# KiCad board yddraig68k.kicad_pcb (continued)
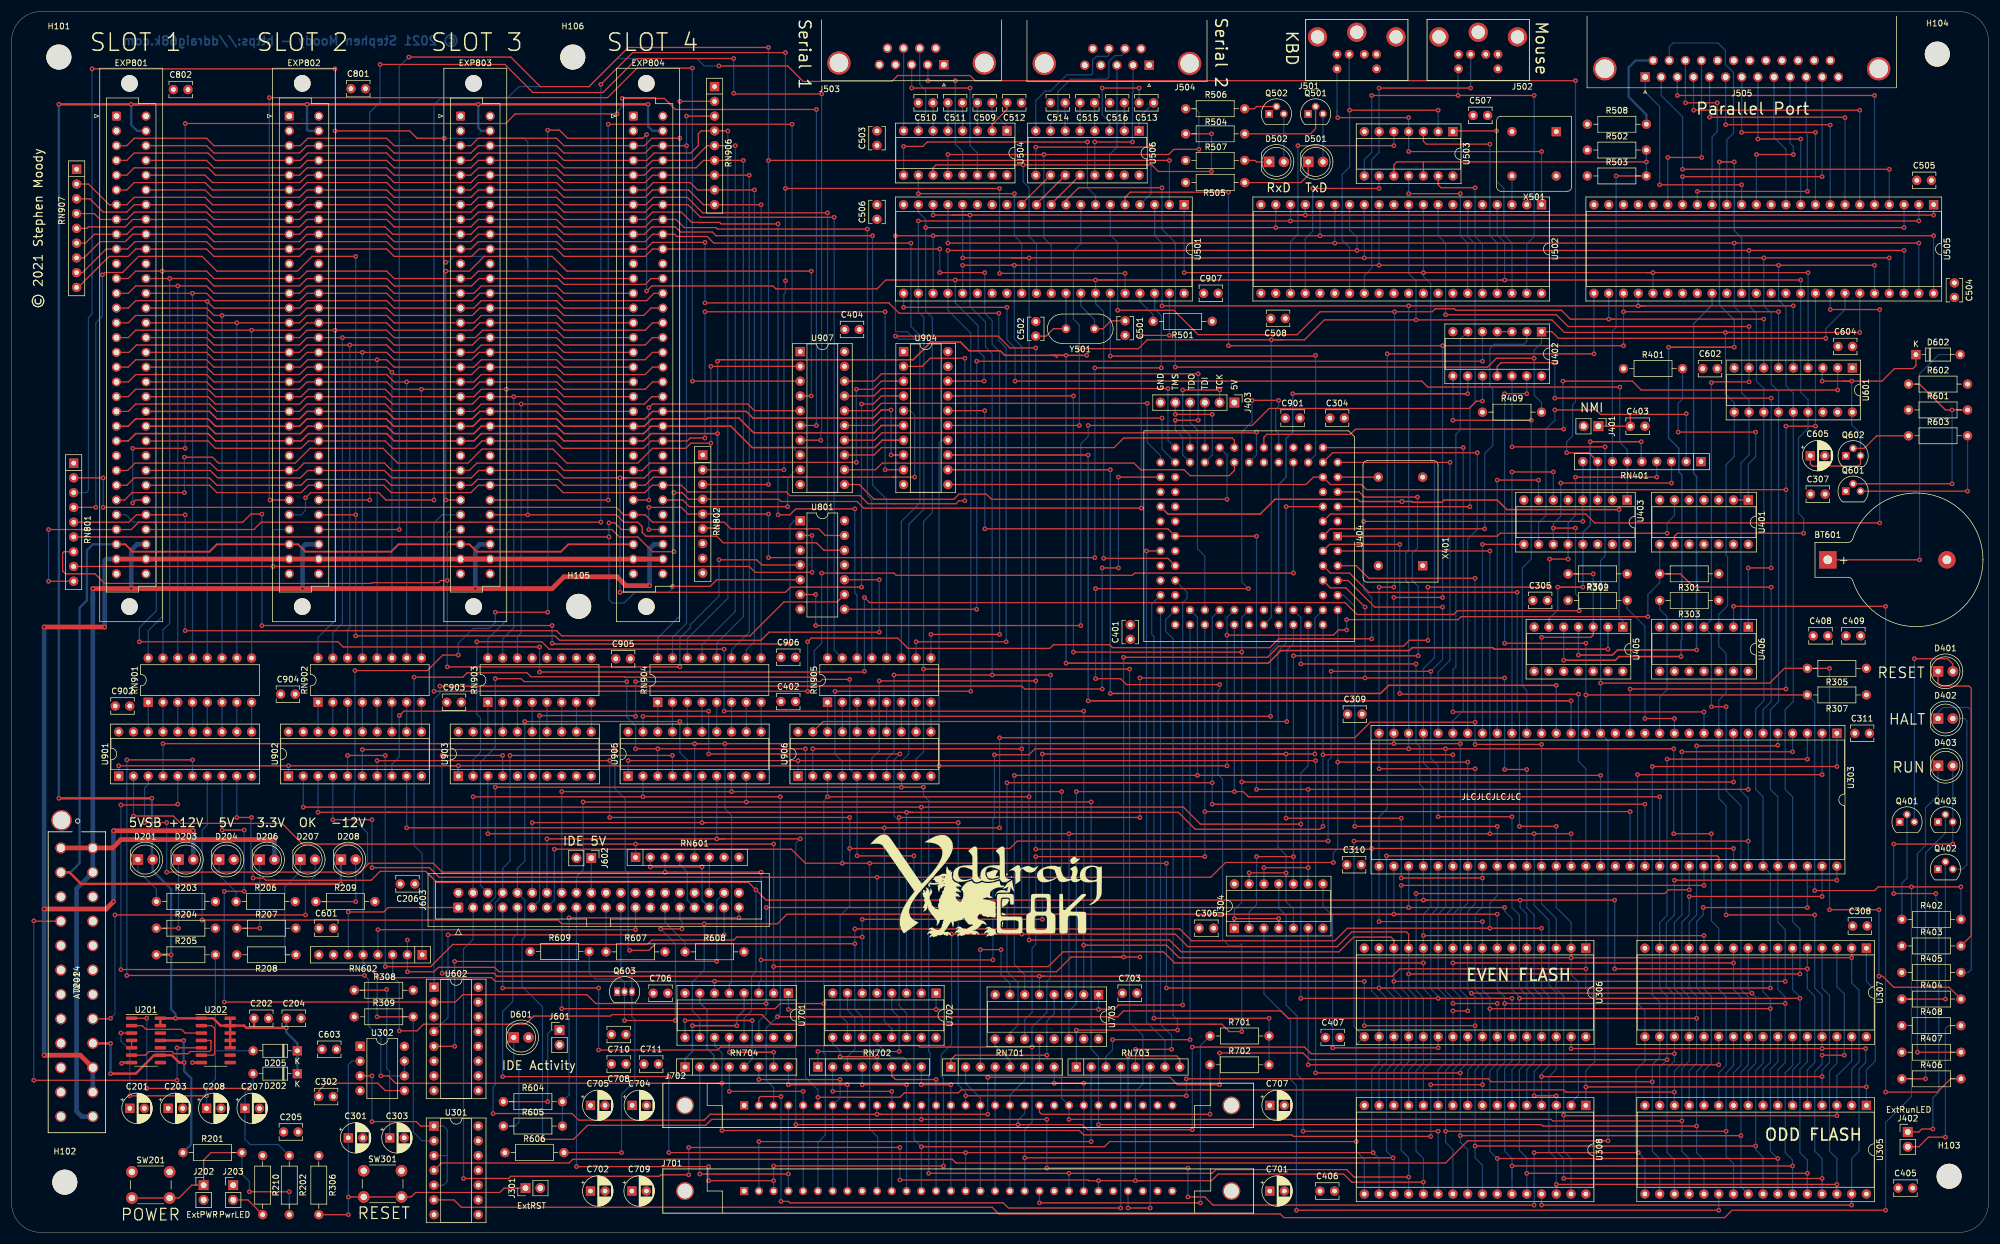
[diagram p0: board, top side]
## Routing (per net, layer and track width the routed paths; a pad name or vN(x,y) marks a point on that pad's centre or on a via; arc(x,y) is an arc through that point) (continued)
/Decode and Logic/~{DATCK_EXT}: length 157.5
  Top w0.203: v1(165.99,107.19) U801.8 ; v1(252.98,149.86) v1(165.99,149.86)
  Bottom w0.203: v1(165.99,149.86) v1(165.99,107.19) ; U402.5 v1(252.98,149.86)
/Decode and Logic/~{DTACK_CPLD}: length 68.6
  Top w0.203: U404.2 226.82,121.03 v1(253.37,121.03)
  Bottom w0.203: v1(253.37,121.03) 253.37,133.99 254.76,135.38 254.76,145.03 254.25,145.54 254.25,152.02 255.02,152.78 260.1,152.78 260.6,153.29 U402.2
/Decode and Logic/~{EXT_BERR}: length 162.4
  Top w0.203: v1(252.98,143) 251.97,143 250.7,141.73 216.28,141.73 213.36,138.81 v1(185.17,138.81) ; v1(138.3,104.39) v1(183.9,104.39) ; U801.6 v1(138.3,109.73)
  Bottom w0.203: v1(252.98,143) U402.10 ; v1(185.17,138.81) 185.17,136.91 183.9,135.64 v1(183.9,104.39) ; v1(138.3,109.73) v1(138.3,104.39)
/Decode and Logic/~{EXT_LDS}: length 126.9
  Top w0.203: v1(216.54,88.77) v1(108.59,88.77)
  Bottom w0.203: U404.68 217.93,101.41 216.54,100.01 v1(216.54,88.77) ; v1(108.59,88.77) U905.19
/Decode and Logic/~{EXT_UDS}: length 99.4
  Top w0.203: v1(219.33,87.88) 139.57,87.88 137.8,86.11
  Bottom w0.203: v1(219.33,87.88) 219.33,100.14 220.47,101.28 U404.70
/Decode and Logic/~{EXT_VPA}: length 360.3
  Top w0.25: 267.59,100.33 267.72,100.33 ; 267.59,100.33 v1(274.57,100.33) ; 267.59,100.33 255.02,100.33 254.76,100.58 240.9,100.58 240.4,100.08 218.31,100.08 216.15,97.92 v1(181.36,97.92) ; 178.82,150.88 v1(181.36,150.88) ; 178.82,150.88 170.81,150.88 170.05,151.64 164.72,151.64 163.19,153.16 158.12,153.16 155.07,150.11 121.67,150.11 v1(121.41,149.86) ; 178.82,150.88 179.2,150.88 ; v1(181.36,150.88) v1(184.91,150.88) ; v1(181.36,150.88) 179.2,150.88 ; 179.2,150.88 179.45,150.88 179.83,150.5 ; 118.87,121.16 v1(121.41,121.16) ; EXP801.A23 20.07,136.14 21.34,137.41 33.78,137.41 35.05,136.14 EXP802.A23 49.78,136.14 51.05,137.41 64.52,137.41 65.79,136.14 EXP803.A23 79.5,136.14 80.77,137.41 93.73,137.41 95,136.14 EXP804.A23 108.71,136.14 109.98,137.41 v1(121.41,137.41)
  Bottom w0.25: v1(181.36,150.88) v1(181.36,97.92) ; v1(121.41,121.16) 121.41,135.89 ; 121.41,135.89 v1(121.41,137.41) ; 121.41,135.89 v1(121.41,149.86) ; v1(274.57,100.33) U405.2
/Decode and Logic/~{EXTINT1}: length 348.2
  Top w0.203: v1(146.69,109.22) 147.57,108.33 229.36,108.33 231.39,106.3 248.03,106.3 248.67,106.93 v1(269.62,106.93) ; v1(90.81,100.71) 57.02,100.71 56.13,101.6 v1(21.97,101.6) ; v1(146.69,96.52) 146.56,96.39 v1(90.81,96.39) ; v1(268.99,121.16) v1(265.18,121.16) ; v1(266.45,128.91) v1(285.5,128.91)
  Bottom w0.203: 265.18,120.52 U403.11 ; 265.18,120.52 v1(265.18,121.16) ; 265.18,120.52 265.18,121.92 266.45,123.19 v1(266.45,128.91) ; v1(285.5,128.91) RN401.3 ; v1(146.69,96.52) v1(146.69,109.22) ; v1(90.81,100.71) v1(90.81,96.39) ; EXP801.A28 19.68,123.44 20.95,122.17 24.38,122.17 24.89,121.67 24.89,106.93 21.97,104.01 v1(21.97,101.6) ; v1(268.99,121.16) 268.99,109.85 269.62,109.22 v1(269.62,106.93)
/Decode and Logic/~{EXTINT2}: length 375.5
  Top w0.203: v1(268.99,198.12) 165.74,198.12 164.85,199.01 152.4,199.01 151.38,197.99 136.14,197.99 133.48,200.66 v1(121.67,200.66) ; RN401.8 271.27,134.11 v1(267.46,134.11) ; v1(72.64,125.98) 64.39,125.98 63.12,127.25 51.43,127.25 v1(50.55,126.36)
  Bottom w0.203: v1(121.67,200.66) 119.13,200.66 117.86,201.93 104.14,201.93 99.31,197.1 87.25,197.1 85.34,195.2 73.91,195.2 72.64,193.93 v1(72.64,125.98) ; U403.3 RN401.8 ; v1(267.46,134.11) 267.46,136.02 268.48,137.03 268.48,142.37 268.99,142.88 v1(268.99,198.12) ; v1(50.55,126.36) 50.55,124.21 49.78,123.44 EXP802.A28
/Decode and Logic/~{EXTINT3}: length 275
  Top w0.203: v1(136.91,101.6) 137.53,102.23 152.41,102.23 154.18,100.46 178.56,100.46 179.2,101.09 188.85,101.09 189.36,100.58 216.41,100.58 217.93,102.11 v1(233.93,102.11) ; v1(72.64,93.09) v1(136.91,93.09) ; 254.13,122.3 254.38,122.3 ; 254.13,122.3 v1(270.26,122.3) ; 254.13,122.3 v1(232.54,122.3)
  Bottom w0.203: RN401.9 U403.4 v1(270.26,122.3) ; EXP803.A28 74.04,123.44 72.64,122.05 v1(72.64,93.09) ; v1(136.91,93.09) v1(136.91,101.6) ; v1(233.93,102.11) 233.93,109.22 232.54,110.62 v1(232.54,122.3)
/Decode and Logic/~{IDE_RD}: length 335
  Top w0.203: v1(211.58,34.54) 209.42,34.54 208.15,35.81 130.68,35.81 129.03,37.47 103.25,37.47 103,37.21 89.79,37.21 88.39,35.81 70.87,35.81 69.72,34.67 v1(66.67,34.67) ; v1(213.36,143.13) 213.36,143.13 v1(217.93,143.13) ; 190.12,110.74 v1(212.73,110.74) ; 190.12,110.74 v1(186.44,110.74) ; 190.12,110.74 190.75,110.74 ; v1(207.77,94.23) 191.77,94.23 190.75,95.25 v1(186.44,95.25)
  Bottom w0.203: v1(212.73,110.74) 211.58,111.89 211.58,137.67 213.36,139.45 v1(213.36,143.13) ; RN602.3 65.53,44.07 66.67,42.93 v1(66.67,34.67) ; U404.18 217.93,137.41 217.42,137.92 217.42,141.61 217.93,142.11 v1(217.93,143.13) ; v1(207.77,94.23) 207.77,93.47 207.52,93.22 207.52,78.74 208.28,77.98 208.28,50.42 209.42,49.28 211.2,49.28 211.58,49.66 v1(211.58,34.54) ; v1(186.44,95.25) v1(186.44,110.74)
/Decode and Logic/~{IDE_WR}: length 236.7
  Top w0.203: v1(138.05,95.5) 105.49,95.5 105.42,95.58 89.33,95.58 88.65,96.27 78.36,96.27 77.6,95.5 v1(69.22,95.5) ; v1(220.47,113.41) 193.17,113.41 192.79,113.03 152.15,113.03 151.77,113.41 v1(139.32,113.41)
  Bottom w0.203: U404.17 v1(220.47,113.41) ; v1(69.22,95.5) 69.22,66.55 70.61,65.15 RN602.1 ; v1(139.32,113.41) 139.32,101.35 138.05,100.08 v1(138.05,95.5)
/Decode and Logic/~{INT_DUART}: length 157.9
  Top w0.203: v1(153.42,159.13) v1(171.2,159.13) ; v1(276.61,145.42) 243.59,145.42 242.57,146.43 v1(172.59,146.43)
  Bottom w0.203: U501.21 v1(153.42,159.13) ; v1(171.2,159.13) 171.2,153.54 172.59,152.15 v1(172.59,146.43) ; v1(276.61,145.42) 276.61,135.89 277.88,134.62 RN401.6 U403.1
/Decode and Logic/~{INT_IDE}: length 308
  Top w0.203: 263.27,111 v1(264.54,111) ; 263.27,111 263.52,111 ; 263.27,111 v1(243.59,111) ; v1(106.68,44.83) 173.23,44.83 ; 173.23,44.83 173.99,44.83 ; 173.23,44.83 179.71,44.83 182.25,47.37 189.36,47.37 ; 189.36,47.37 v1(194.06,47.37) ; 189.36,47.37 v1(191.26,47.37) ; v1(104.9,13.72) R606.2 ; v1(191.26,98.93) 216.03,98.93 217.93,100.84 239.39,100.84 240.41,101.85 v1(243.59,101.85) ; v1(268.99,129.92) v1(282.96,129.92) ; v1(264.54,115.82) v1(267.72,115.82)
  Bottom w0.203: v1(282.96,129.92) RN401.4 ; v1(243.59,101.85) v1(243.59,111) ; v1(267.72,115.82) U403.12 267.72,122.05 268.99,123.32 v1(268.99,129.92) ; v1(106.68,44.83) 106.68,37.08 107.19,36.58 107.19,26.03 104.9,23.75 v1(104.9,13.72) ; v1(191.26,47.37) v1(191.26,98.93) ; v1(264.54,111) v1(264.54,115.82)
/Decode and Logic/~{INT_PIT0}: length 88.4
  Top w0.25: v1(269.49,99.31) 275.34,99.31 276.23,100.2 v1(289.81,100.2)
  Bottom w0.25: v1(289.81,100.2) 289.81,130.05 289.31,130.56 289.31,156.34 292.48,159.51 U505.33 ; U405.4 v1(269.49,99.31)
/Decode and Logic/~{INT_PIT1}: length 150.3
  Top w0.25: v1(287.15,99.06) 276.48,99.06 275.84,98.43 v1(266.95,98.43) ; v1(284.99,152.27) v1(296.29,152.27) ; v1(296.29,184.15) v1(293.75,184.15)
  Bottom w0.25: v1(266.95,98.43) U405.5 ; v1(287.15,99.06) 287.15,101.85 287.27,101.98 287.27,130.3 286.77,130.81 286.77,134.87 284.99,136.65 v1(284.99,152.27) ; v1(296.29,152.27) 296.29,156.97 293.75,159.51 v1(293.75,184.15) ; 297.56,161.54 297.56,171.07 296.29,172.34 v1(296.29,184.15)
/Decode and Logic/~{INT_PS2}: length 113.6
  Top w0.203: 242.82,184.15 v1(281.18,184.15) ; 242.82,184.15 U503.12 ; 242.82,184.15 238.25,184.15 237.74,183.64 U503.10 ; v1(275.97,181.74) R503.2
  Bottom w0.203: R503.2 v1(281.18,184.15) R502.2 ; v1(275.97,181.74) 275.97,155.7 275.34,155.07 RN401.7 U403.2
/Decode and Logic/~{RUN}: length 127.2
  Top w0.203: v1(296.16,107.7) v1(322.33,107.7) ; v1(322.33,24.13) 331.22,24.13 333.5,26.42 R406.2
  Bottom w0.203: v1(296.16,107.7) U406.2 ; v1(322.33,24.13) v1(322.33,107.7)
/DRAM Interface/DRAM_MUX: length 151.6
  Top w0.203: v1(201.42,39.12) 190.37,39.12 189.61,38.35 188.09,38.35 ; v1(133.6,38.35) v1(159,38.35) 188.09,38.35 ; 188.09,38.35 v1(186.94,38.35)
  Bottom w0.203: U404.50 202.18,110.11 202.18,109.09 201.42,108.33 v1(201.42,39.12) ; U703.1 v1(186.94,38.35) ; U702.1 v1(159,38.35) ; U701.1 v1(133.6,38.35)
/DRAM Interface/~{CAS0}: length 99.2
  Top w0.203: v1(200.53,34.8) v1(183.13,34.8)
  Bottom w0.203: U404.55 198.5,105.41 198.5,103.38 199.77,102.11 199.77,81.79 ; 199.77,81.79 199.77,83.31 199.9,83.44 ; 199.77,81.79 199.77,37.34 200.53,36.58 v1(200.53,34.8) ; RN703.1 v1(183.13,34.8)
/DRAM Interface/~{CAS1}: length 89.9
  Top w0.203: v1(202.69,33.15) v1(189.36,33.15)
  Bottom w0.203: RN703.3 188.21,30.23 189.36,31.37 v1(189.36,33.15) ; U404.56 v1(202.69,33.15)
/DRAM Interface/~{DRAM_WE}: length 101.4
  Top w0.203: v1(196.47,36.83) v1(216.28,36.83)
  Bottom w0.203: U404.51 196.09,108.08 196.09,102.87 196.47,102.49 v1(196.47,36.83) ; R702.2 R701.2 v1(216.28,36.83)
/DRAM Interface/~{RAS0}: length 85.6
  Top w0.203: v1(199.52,31.5) v1(193.29,31.5)
  Bottom w0.203: v1(193.29,31.5) RN703.5 ; U404.53 197.61,35.81 199.52,33.91 v1(199.52,31.5)
/DRAM Interface/~{RAS1}: length 92.5
  Top w0.203: U404.45 v1(195.2,117.22)
  Bottom w0.203: RN703.7 198.37,33.02 195.2,36.19 v1(195.2,117.22)
/Expansion Bus/BA1: length 159.6
  Top w0.203: EXP801.A12 20.07,164.08 21.34,165.35 v1(25.91,165.35) 33.53,165.35 34.8,164.08 EXP802.A12 49.53,164.08 50.8,165.35 64.52,165.35 65.79,164.08 EXP803.A12 78.99,164.08 80.26,165.35 93.73,165.35 95,164.08 EXP804.A12
  Bottom w0.203: RN901.16 23.49,103.5 25.91,105.92 v1(25.91,165.35)
/Expansion Bus/BA2: length 157.6
  Top w0.203: EXP801.C12 v1(27.18,164.08) 33.53,164.08 34.8,162.81 49.53,162.81 50.8,164.08 EXP802.C12 64.52,164.08 65.79,162.81 79.12,162.81 80.39,164.08 EXP803.C12 93.98,164.08 94.98,163.08 108.98,163.08 109.98,164.08 EXP804.C12
  Bottom w0.203: RN901.15 26.03,103.63 27.18,104.78 v1(27.18,164.08)
/Expansion Bus/BA3: length 156.1
  Top w0.203: EXP801.A13 20.07,161.54 21.34,162.81 v1(28.57,162.81) 33.53,162.81 34.8,161.54 EXP802.A13 49.53,161.54 50.8,162.81 64.52,162.81 65.79,161.54 EXP803.A13 79.5,161.54 80.77,162.81 93.73,162.81 95,161.54 EXP804.A13
  Bottom w0.203: RN901.14 v1(28.57,162.81)
/Expansion Bus/BA4: length 154.8
  Top w0.203: EXP804.C13 110.49,161.54 109.22,160.27 95,160.27 93.73,161.54 EXP803.C13 80.52,161.54 79.25,160.27 65.79,160.27 64.52,161.54 EXP802.C13 50.8,161.54 49.53,160.27 34.8,160.27 33.53,161.54 v1(31.12,161.54) EXP801.C13
  Bottom w0.203: RN901.13 v1(31.12,161.54)
/Expansion Bus/BA5: length 153.4
  Top w0.203: EXP801.A14 20.07,159 21.34,160.27 33.53,160.27 v1(33.65,160.15) 34.8,159 EXP802.A14 49.53,159 50.8,160.27 64.52,160.27 65.79,159 EXP803.A14 79.5,159 80.77,160.27 93.73,160.27 95,159 EXP804.A14
  Bottom w0.203: RN901.12 v1(33.65,160.15)
/Expansion Bus/BA6: length 151
  Top w0.203: EXP804.C14 109.98,159 108.71,157.73 95,157.73 93.73,159 EXP803.C14 80.52,159 79.25,157.73 65.79,157.73 64.52,159 EXP802.C14 50.8,159 49.53,157.73 v1(36.2,157.73) 34.8,157.73 33.53,159 EXP801.C14
  Bottom w0.203: RN901.11 v1(36.2,157.73)
/Expansion Bus/BA7: length 149.7
  Top w0.203: EXP801.A15 20.07,156.46 21.34,157.73 33.53,157.73 34.8,156.46 v1(38.73,156.46) EXP802.A15 49.53,156.46 50.8,157.73 64.52,157.73 65.79,156.46 EXP803.A15 79.5,156.46 80.77,157.73 93.73,157.73 95,156.46 EXP804.A15
  Bottom w0.203: RN901.10 v1(38.73,156.46)
/Expansion Bus/BA8: length 148.4
  Top w0.203: EXP804.C15 110.24,156.46 108.97,155.19 95,155.19 93.73,156.46 EXP803.C15 80.52,156.46 79.25,155.19 65.79,155.19 64.52,156.46 EXP802.C15 50.8,156.46 49.53,155.19 v1(41.27,155.19) 34.8,155.19 33.53,156.46 EXP801.C15
  Bottom w0.203: RN901.9 v1(41.27,155.19)
/Expansion Bus/BA9: length 149.7
  Top w0.203: EXP804.A16 95,153.92 93.73,155.19 81.03,155.19 79.76,153.92 EXP803.A16 65.79,153.92 64.52,155.19 v1(55.63,155.19) 50.8,155.19 49.53,153.92 EXP802.A16 34.8,153.92 33.53,155.19 21.34,155.19 20.07,153.92 EXP801.A16
  Bottom w0.203: RN902.16 52.7,102.36 55.63,105.28 v1(55.63,155.19)
/Expansion Bus/BA10: length 147.9
  Top w0.203: EXP801.C16 33.53,153.92 34.8,152.65 49.53,152.65 50.8,153.92 EXP802.C16 v1(56.9,153.92) 64.52,153.92 65.79,152.65 79.25,152.65 80.52,153.92 EXP803.C16 93.73,153.92 95,152.65 108.97,152.65 110.24,153.92 EXP804.C16
  Bottom w0.203: RN902.15 55.24,103.12 56.9,104.78 v1(56.9,153.92)
/Expansion Bus/BA11: length 146.1
  Top w0.203: EXP804.A17 95,151.38 93.73,152.65 80.77,152.65 79.5,151.38 EXP803.A17 65.79,151.38 64.52,152.65 v1(58.17,152.65) 50.8,152.65 49.53,151.38 EXP802.A17 34.8,151.38 33.53,152.65 21.46,152.65 20.19,151.38 EXP801.A17
  Bottom w0.203: RN902.14 57.78,103.63 58.17,104.01 v1(58.17,152.65)
/Expansion Bus/BA12: length 144.6
  Top w0.203: EXP804.C17 110.24,151.38 108.97,150.11 95,150.11 93.73,151.38 EXP803.C17 80.39,151.38 79.12,150.11 65.79,150.11 64.52,151.38 v1(60.32,151.38) EXP802.C17 50.8,151.38 49.53,150.11 34.8,150.11 33.53,151.38 EXP801.C17
  Bottom w0.203: RN902.13 v1(60.32,151.38)
/Expansion Bus/BA13: length 143.4
  Top w0.203: EXP804.A18 95,148.84 93.73,150.11 80.77,150.11 79.5,148.84 EXP803.A18 65.79,148.84 64.52,150.11 v1(62.87,150.11) 50.93,150.11 49.66,148.84 EXP802.A18 34.8,148.84 33.53,150.11 21.34,150.11 20.07,148.84 EXP801.A18
  Bottom w0.203: RN902.12 v1(62.87,150.11)
/Expansion Bus/BA14: length 141.2
  Top w0.203: EXP804.C18 110.24,148.84 108.97,147.57 95,147.57 93.73,148.84 EXP803.C18 80.39,148.84 79.12,147.57 65.79,147.57 v1(65.41,147.95) 64.52,148.84 EXP802.C18 50.8,148.84 49.53,147.57 34.8,147.57 33.53,148.84 EXP801.C18
  Bottom w0.203: RN902.11 v1(65.41,147.95)
/Expansion Bus/BA15: length 139.6
  Top w0.203: EXP801.A19 20.07,146.3 21.34,147.57 33.53,147.57 34.8,146.3 EXP802.A19 49.53,146.3 50.8,147.57 64.52,147.57 65.79,146.3 v1(67.94,146.3) EXP803.A19 79.5,146.3 80.77,147.57 93.73,147.57 95,146.3 EXP804.A19
  Bottom w0.203: RN902.10 v1(67.94,146.3)
/Expansion Bus/BA16: length 138.3
  Top w0.203: EXP801.C19 33.53,146.3 34.8,145.03 49.53,145.03 50.8,146.3 EXP802.C19 64.52,146.3 65.79,145.03 v1(70.48,145.03) 79.25,145.03 80.52,146.3 EXP803.C19 93.73,146.3 95,145.03 108.97,145.03 110.24,146.3 EXP804.C19
  Bottom w0.203: RN902.9 v1(70.48,145.03)
/Expansion Bus/BA17: length 139.6
  Top w0.203: EXP801.A20 20.07,143.76 21.34,145.03 33.78,145.03 35.05,143.76 EXP802.A20 49.78,143.76 51.05,145.03 64.26,145.03 65.53,143.76 EXP803.A20 79.5,143.76 80.77,145.03 v1(85.09,145.03) 93.73,145.03 95,143.76 EXP804.A20
  Bottom w0.203: RN903.16 81.91,102.11 85.09,105.28 v1(85.09,145.03)
/Expansion Bus/BA18: length 137.8
  Top w0.203: EXP801.C20 33.78,143.76 35.05,142.49 49.53,142.49 50.8,143.76 EXP802.C20 64.26,143.76 65.53,142.49 79.25,142.49 80.52,143.76 EXP803.C20 v1(86.36,143.76) 93.73,143.76 95,142.49 108.84,142.49 110.11,143.76 EXP804.C20
  Bottom w0.203: 84.46,98.81 84.46,102.11 86.36,104.01 v1(86.36,143.76)
/Expansion Bus/BA19: length 136
  Top w0.203: EXP801.A21 20.07,141.22 21.34,142.49 34.04,142.49 35.31,141.22 EXP802.A21 49.53,141.22 50.8,142.49 64.26,142.49 65.53,141.22 EXP803.A21 79.5,141.22 80.77,142.49 v1(87.63,142.49) 93.73,142.49 95,141.22 EXP804.A21
  Bottom w0.203: RN903.14 87,102.49 87.63,103.12 v1(87.63,142.49)
/Expansion Bus/BCLK10: length 182.6
  Top w0.203: U904.9 v1(150.24,131.19) ; v1(119.25,158.37) v1(150.24,158.37) ; EXP801.C23 33.78,136.14 35.05,134.87 49.78,134.87 51.05,136.14 EXP802.C23 64.26,136.14 65.53,134.87 79.63,134.87 80.9,136.14 EXP803.C23 93.47,136.14 94.74,134.87 108.71,134.87 109.98,136.14 EXP804.C23 116.21,136.14 116.71,136.65 v1(119.25,136.65)
  Bottom w0.203: v1(119.25,136.65) v1(119.25,158.37) ; v1(150.24,131.19) v1(150.24,158.37)
/Expansion Bus/BD0: length 204.5
  Top w0.203: EXP801.A3 19.81,186.94 21.08,188.21 33.53,188.21 34.8,186.94 EXP802.A3 49.66,186.94 50.93,188.21 64.52,188.21 65.79,186.94 EXP803.A3 78.99,186.94 80.26,188.21 93.73,188.21 95,186.94 EXP804.A3 108.84,186.94 110.11,188.21 v1(114.92,188.21) ; v1(114.94,194.56) RN906.2
  Bottom w0.203: v1(114.94,194.56) 114.92,194.55 114.92,187.56 ; 114.92,187.56 114.92,106.03 111.12,102.24 RN904.16 ; 114.92,187.56 v1(114.92,188.21)
/Expansion Bus/BD1: length 196.3
  Top w0.203: v1(116.08,192.02) RN906.3 ; EXP801.C3 33.53,186.94 34.8,185.67 49.53,185.67 50.8,186.94 EXP802.C3 64.52,186.94 65.79,185.67 78.99,185.67 80.26,186.94 EXP803.C3 93.73,186.94 95,185.67 108.97,185.67 110.24,186.94 EXP804.C3 v1(116.08,186.94)
  Bottom w0.203: RN904.15 113.66,102.36 116.08,104.78 116.08,185.93 ; 116.08,186.18 v1(116.08,186.94) ; 116.08,186.18 v1(116.08,192.02) ; 116.08,186.18 116.08,185.93 ; 116.08,185.93 116.08,186.31
/Expansion Bus/BD2: length 205.2
  Top w0.203: v1(123.19,189.48) RN906.4 118.62,189.48 118.11,188.98 118.11,186.94 116.84,185.67 110.49,185.67 109.22,184.4 EXP804.A4 95,184.4 93.73,185.67 80.26,185.67 78.99,184.4 EXP803.A4 65.79,184.4 64.52,185.67 50.93,185.67 49.66,184.4 EXP802.A4 35.05,184.4 33.78,185.67 21.08,185.67 19.81,184.4 EXP801.A4
  Bottom w0.203: RN904.14 116.21,102.11 123.19,109.09 v1(123.19,189.48)
/Expansion Bus/BD3: length 196.1
  Top w0.203: EXP801.C4 33.53,184.4 34.8,183.13 49.59,183.13 50.86,184.4 EXP802.C4 64.52,184.4 65.79,183.13 78.99,183.13 80.26,184.4 EXP803.C4 93.73,184.4 95,183.13 108.97,183.13 110.24,184.4 EXP804.C4 117.09,184.4 119.63,186.94 RN906.5 v1(124.46,186.94)
  Bottom w0.203: v1(124.46,186.94) 124.46,106.81 118.75,101.09 RN904.13
/Expansion Bus/BD4: length 199.5
  Top w0.203: v1(125.86,184.4) RN906.6 119,184.4 117.73,183.13 110.11,183.13 108.84,181.86 EXP804.A5 95,181.86 93.73,183.13 80.26,183.13 78.99,181.86 EXP803.A5 65.79,181.86 64.52,183.13 50.8,183.13 49.53,181.86 EXP802.A5 35.05,181.86 33.78,183.13 21.08,183.13 19.81,181.86 EXP801.A5
  Bottom w0.203: v1(125.86,184.4) 125.86,105.92 121.28,101.35 RN904.12
/Expansion Bus/BD5: length 191.2
  Top w0.203: EXP801.C5 33.27,181.86 34.54,180.59 49.59,180.59 50.86,181.86 EXP802.C5 64.52,181.86 65.79,180.59 78.99,180.59 80.26,181.86 EXP803.C5 93.73,181.86 95,180.59 108.97,180.59 110.24,181.86 EXP804.C5 RN906.7 v1(126.87,181.86)
  Bottom w0.203: v1(126.87,181.86) 126.87,103.25 123.83,100.2 RN904.11
/Expansion Bus/BD6: length 195
  Top w0.203: v1(127.76,179.32) RN906.8 117.98,179.32 116.71,180.59 110.36,180.59 109.09,179.32 EXP804.A6 95,179.32 93.73,180.59 80.26,180.59 78.99,179.32 EXP803.A6 65.79,179.32 64.52,180.59 50.8,180.59 49.53,179.32 EXP802.A6 34.54,179.32 33.27,180.59 21.08,180.59 19.81,179.32 EXP801.A6
  Bottom w0.203: RN904.10 126.37,100.2 127.76,101.6 v1(127.76,179.32)
/Expansion Bus/BD7: length 188
  Top w0.203: v1(128.91,176.78) RN906.9 119,176.78 116.46,179.32 EXP804.C6 110.24,179.32 108.97,178.05 95,178.05 93.73,179.32 EXP803.C6 80.26,179.32 78.99,178.05 65.79,178.05 64.52,179.32 EXP802.C6 50.79,179.32 49.52,178.05 34.54,178.05 33.27,179.32 EXP801.C6
  Bottom w0.203: RN904.9 v1(128.91,176.78)
/Expansion Bus/BD8: length 212
  Top w0.203: RN907.2 13.21,180.34 16.76,176.78 EXP801.A7 19.81,176.78 21.08,178.05 33.27,178.05 34.54,176.78 EXP802.A7 49.53,176.78 50.8,178.05 64.52,178.05 65.79,176.78 EXP803.A7 78.99,176.78 80.26,178.05 93.73,178.05 95,176.78 EXP804.A7 109.09,176.78 110.36,178.05 116.21,178.05 118.87,175.39 v1(140.34,175.39)
  Bottom w0.203: RN905.16 v1(140.34,175.39)
/Expansion Bus/BD9: length 212.2
  Top w0.203: v1(141.48,174.62) 118.49,174.62 116.33,176.78 EXP804.C7 110.24,176.78 108.97,175.51 95,175.51 93.73,176.78 EXP803.C7 80.26,176.78 78.99,175.51 65.79,175.51 64.52,176.78 EXP802.C7 50.74,176.78 49.47,175.51 34.54,175.51 33.27,176.78 EXP801.C7 21.08,176.78 19.81,175.51 15.75,175.51 13.46,177.8 RN907.3
  Bottom w0.203: v1(141.48,174.62) 141.48,100.2 RN905.15
/Expansion Bus/BD10: length 215.1
  Top w0.203: v1(131.83,123.44) 133.86,123.44 134.87,124.46 v1(145.03,124.46) ; v1(131.83,173.48) 122.05,173.48 121.79,173.74 116.97,173.74 115.19,175.51 110.24,175.51 108.97,174.24 EXP804.A8 95,174.24 93.73,175.51 80.26,175.51 78.99,174.24 EXP803.A8 65.79,174.24 64.52,175.51 50.8,175.51 49.53,174.24 EXP802.A8 34.8,174.24 33.53,175.51 21.08,175.51 19.81,174.24 EXP801.A8 15.24,174.24 14.22,175.26 RN907.4
  Bottom w0.203: v1(145.03,124.46) 145.03,109.98 145.41,109.6 RN905.14 ; v1(131.83,123.44) v1(131.83,173.48)
/Expansion Bus/BD11: length 214.6
  Top w0.203: RN907.5 12.95,172.72 13.21,172.97 19.56,172.97 20.83,174.24 EXP801.C8 33.53,174.24 34.8,172.97 49.53,172.97 50.8,174.24 EXP802.C8 64.52,174.24 65.79,172.97 78.99,172.97 80.26,174.24 EXP803.C8 93.73,174.24 95,172.97 108.97,172.97 110.24,174.24 EXP804.C8 114.3,174.24 115.7,172.85 121.16,172.85 121.41,172.59 v1(147.19,172.59)
  Bottom w0.203: RN905.13 147.96,125.98 147.19,126.75 v1(147.19,172.59)
/Expansion Bus/BD12: length 215.5
  Top w0.203: v1(148.08,171.45) 121.16,171.45 120.52,172.08 115.06,172.08 114.17,172.97 110.11,172.97 108.84,171.7 EXP804.A9 95,171.7 93.73,172.97 80.26,172.97 78.99,171.7 EXP803.A9 65.53,171.7 64.26,172.97 50.8,172.97 49.53,171.7 EXP802.A9 34.8,171.7 33.53,172.97 21.08,172.97 19.81,171.7 EXP801.A9 14.22,171.7 12.7,170.18 RN907.6
  Bottom w0.203: v1(148.08,171.45) 148.08,128.52 150.5,126.11 RN905.12
/Expansion Bus/BD13: length 222.3
  Top w0.203: v1(154.69,170.18) 120.78,170.18 119.63,171.32 114.43,171.32 114.05,171.7 EXP804.C9 110.24,171.7 108.97,170.43 95,170.43 93.73,171.7 EXP803.C9 80.26,171.7 78.99,170.43 65.79,170.43 64.52,171.7 EXP802.C9 50.8,171.7 49.53,170.43 34.8,170.43 33.53,171.7 EXP801.C9 20.83,171.7 19.56,170.43 15.24,170.43 12.45,167.64 RN907.7
  Bottom w0.203: v1(154.69,170.18) 154.69,155.83 156.21,154.31 156.21,125.48 153.03,122.3 RN905.11
/Expansion Bus/BD14: length 250.4
  Top w0.203: v1(171.07,101.6) v1(155.58,101.6) ; v1(119.25,170.31) 110.24,170.31 109.09,169.16 EXP804.A10 95,169.16 93.73,170.43 80.26,170.43 78.99,169.16 EXP803.A10 65.79,169.16 64.52,170.43 50.8,170.43 49.53,169.16 EXP802.A10 34.8,169.16 33.53,170.43 21.21,170.43 19.94,169.16 EXP801.A10 16.26,169.16 12.19,165.1 RN907.8 ; v1(119.25,159.89) 150.88,159.89 152.65,158.12 v1(169.8,158.12)
  Bottom w0.203: v1(169.8,158.12) 169.8,153.42 171.07,152.15 v1(171.07,101.6) ; v1(119.25,159.89) v1(119.25,170.31) ; RN905.10 v1(155.58,101.6)
/Expansion Bus/BD15: length 245.3
  Top w0.203: v1(159.64,169.16) EXP804.C10 110.24,169.16 108.97,167.89 95,167.89 93.73,169.16 EXP803.C10 80.39,169.16 79.12,167.89 65.79,167.89 64.52,169.16 EXP802.C10 50.8,169.16 49.53,167.89 34.8,167.89 33.53,169.16 EXP801.C10 21.34,169.16 20.07,167.89 16.76,167.89 11.43,162.56 RN907.9 ; v1(167.39,165.1) v1(159.64,165.1) ; v1(169.93,102.87) v1(158.12,102.87)
  Bottom w0.203: v1(167.39,165.1) 167.39,158.12 168.66,156.84 168.66,152.78 169.93,151.51 v1(169.93,102.87) ; RN905.9 v1(158.12,102.87) ; v1(159.64,169.16) v1(159.64,165.1)
/Expansion Bus/BE: length 142.3
  Top w0.25: EXP801.C21 34.04,141.22 35.31,139.95 49.53,139.95 50.8,141.22 EXP802.C21 64.52,141.22 65.79,139.95 79.25,139.95 80.52,141.22 EXP803.C21 93.73,141.22 95,139.95 108.97,139.95 110.24,141.22 EXP804.C21 126.37,141.22 127.51,140.08 148.21,140.08 149.61,141.48 v1(151.26,141.48) ; v1(151.26,133.73) U904.8
  Bottom w0.25: v1(151.26,141.48) v1(151.26,133.73)
/Expansion Bus/BRD~{WR}: length 154.2
  Top w0.203: 151.64,129.92 151.89,129.92 ; 151.64,129.92 v1(155.32,129.92) ; 151.64,129.92 132.72,129.92 ; 132.72,129.92 110.36,129.92 108.97,128.52 EXP804.A26 95,128.52 93.99,129.53 80.12,129.53 79.12,128.52 EXP803.A26 65.28,128.52 64.28,129.53 50.79,129.53 49.78,128.52 EXP802.A26 35.31,128.52 34.04,129.79 21.08,129.79 19.81,128.52 EXP801.A26 ; 132.72,129.92 133.22,129.92
  Bottom w0.203: U904.5 154.56,141.35 155.32,140.59 v1(155.32,129.92)
/Expansion Bus/~{BAS}: length 140.7
  Top w0.25: EXP801.A22 20.07,138.68 21.34,139.95 33.78,139.95 35.05,138.68 EXP802.A22 49.53,138.68 50.8,139.95 64.45,139.95 65.72,138.68 EXP803.A22 79.38,138.68 80.65,139.95 93.73,139.95 95,138.68 EXP804.A22 108.84,138.68 110.11,139.95 119.69,139.95 119.82,140.08 125.09,140.08 127.63,137.54 148.34,137.54 149.61,138.81 U904.6
/Expansion Bus/~{BCS_EXTDATA1}: length 246.1
  Top w0.203: v1(20.83,125.48) 21.34,125.98 EXP801.C27 ; v1(105.03,195.07) 112.27,195.07 114.17,193.17 v1(138.43,193.17) ; U907.6 v1(138.43,138.81) ; v1(104.14,192.41) 86.61,192.41 84.96,190.75 v1(29.84,190.75) ; v1(20.83,134.87) v1(29.84,134.87)
  Bottom w0.203: v1(29.84,134.87) v1(29.84,190.75) ; v1(105.03,195.07) 105.03,193.68 104.14,192.79 v1(104.14,192.41) ; v1(138.43,138.81) v1(138.43,193.17) ; v1(20.83,125.48) v1(20.83,134.87)
/Expansion Bus/~{BCS_EXTDATA2}: length 234
  Top w0.203: U907.7 v1(139.19,136.27) ; v1(61.59,125.98) EXP802.C27 ; v1(139.32,195.83) 124.33,195.83 v1(124.21,195.96) ; v1(63.37,200.91) 84.84,200.91 89.66,196.09 101.73,196.09 107.57,201.93 v1(124.21,201.93)
  Bottom w0.203: v1(139.32,195.83) 139.32,137.92 139.19,137.8 v1(139.19,136.27) ; v1(63.37,200.91) 63.37,194.44 61.59,192.66 v1(61.59,125.98) ; v1(124.21,195.96) v1(124.21,201.93)
/Expansion Bus/~{BCS_EXTDATA3}: length 174.1
  Top w0.203: v1(134.24,190.63) 134.24,190.63 v1(102.62,190.63) ; EXP803.C27 v1(102.62,125.98)
  Bottom w0.203: v1(134.24,190.63) 134.24,135.13 U907.8 ; v1(102.62,125.98) v1(102.62,190.63)
/Expansion Bus/~{BCS_EXTDATA4}: length 29.6